# KiCad board XP17.kicad_pcb
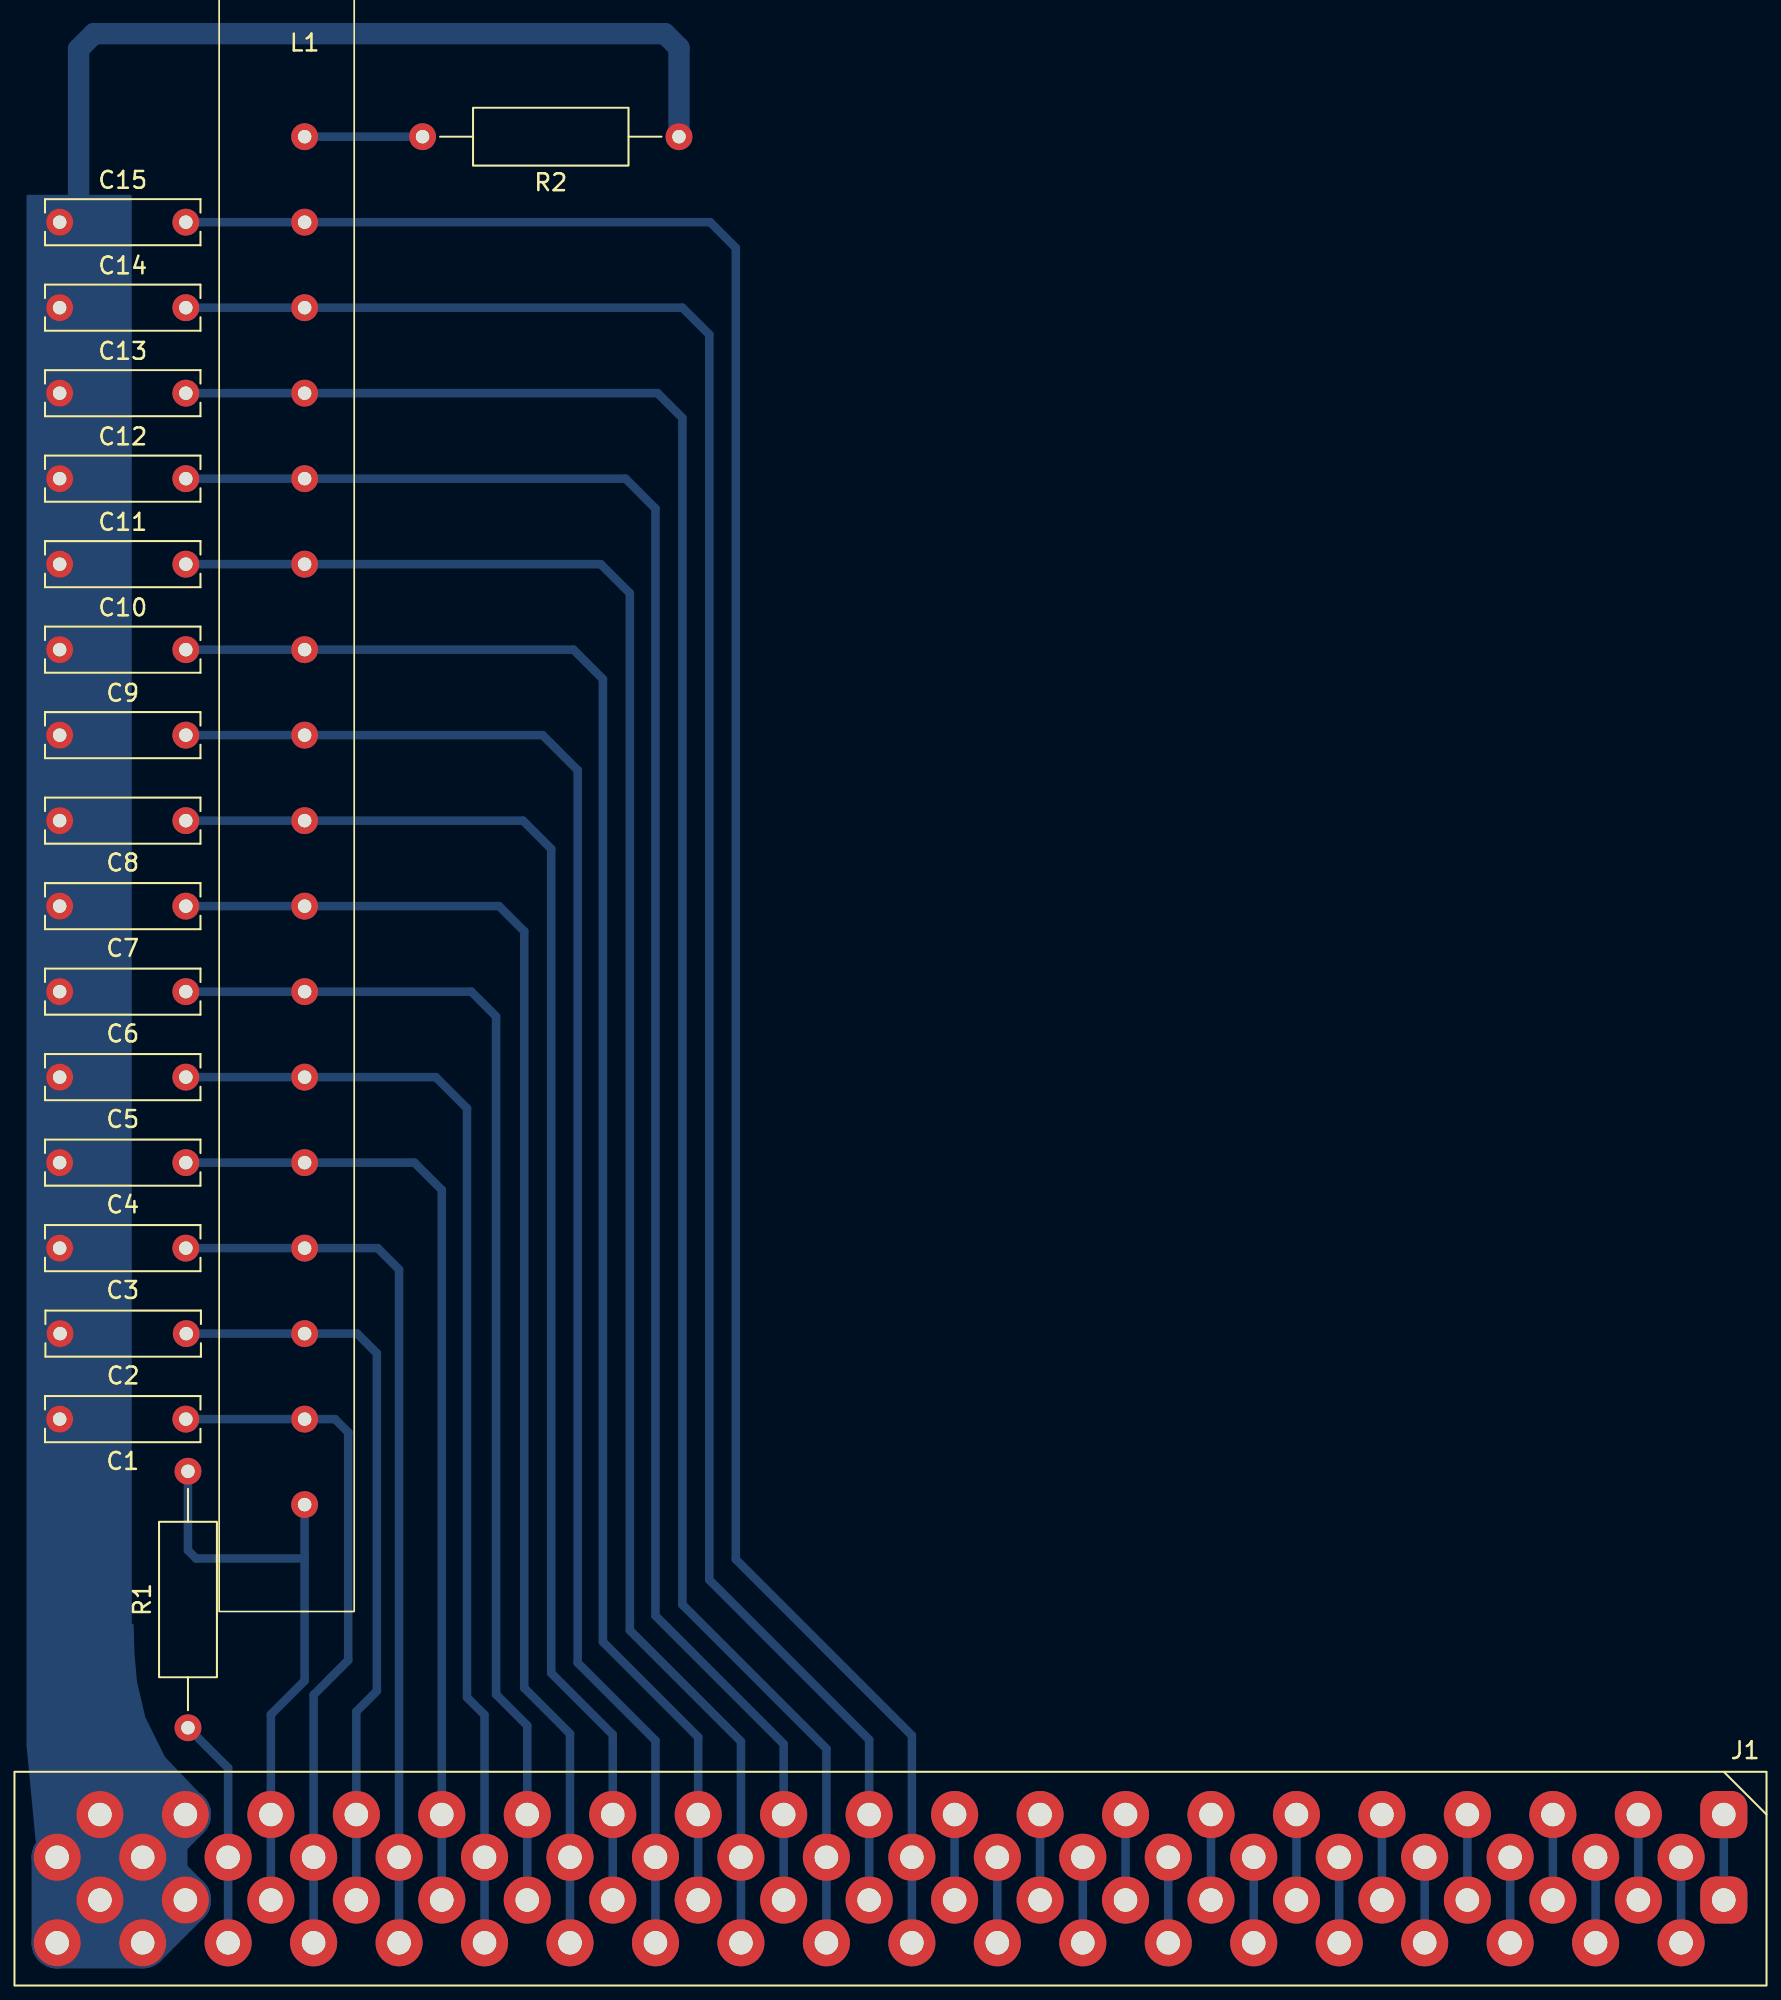
[diagram p0: board, top side]
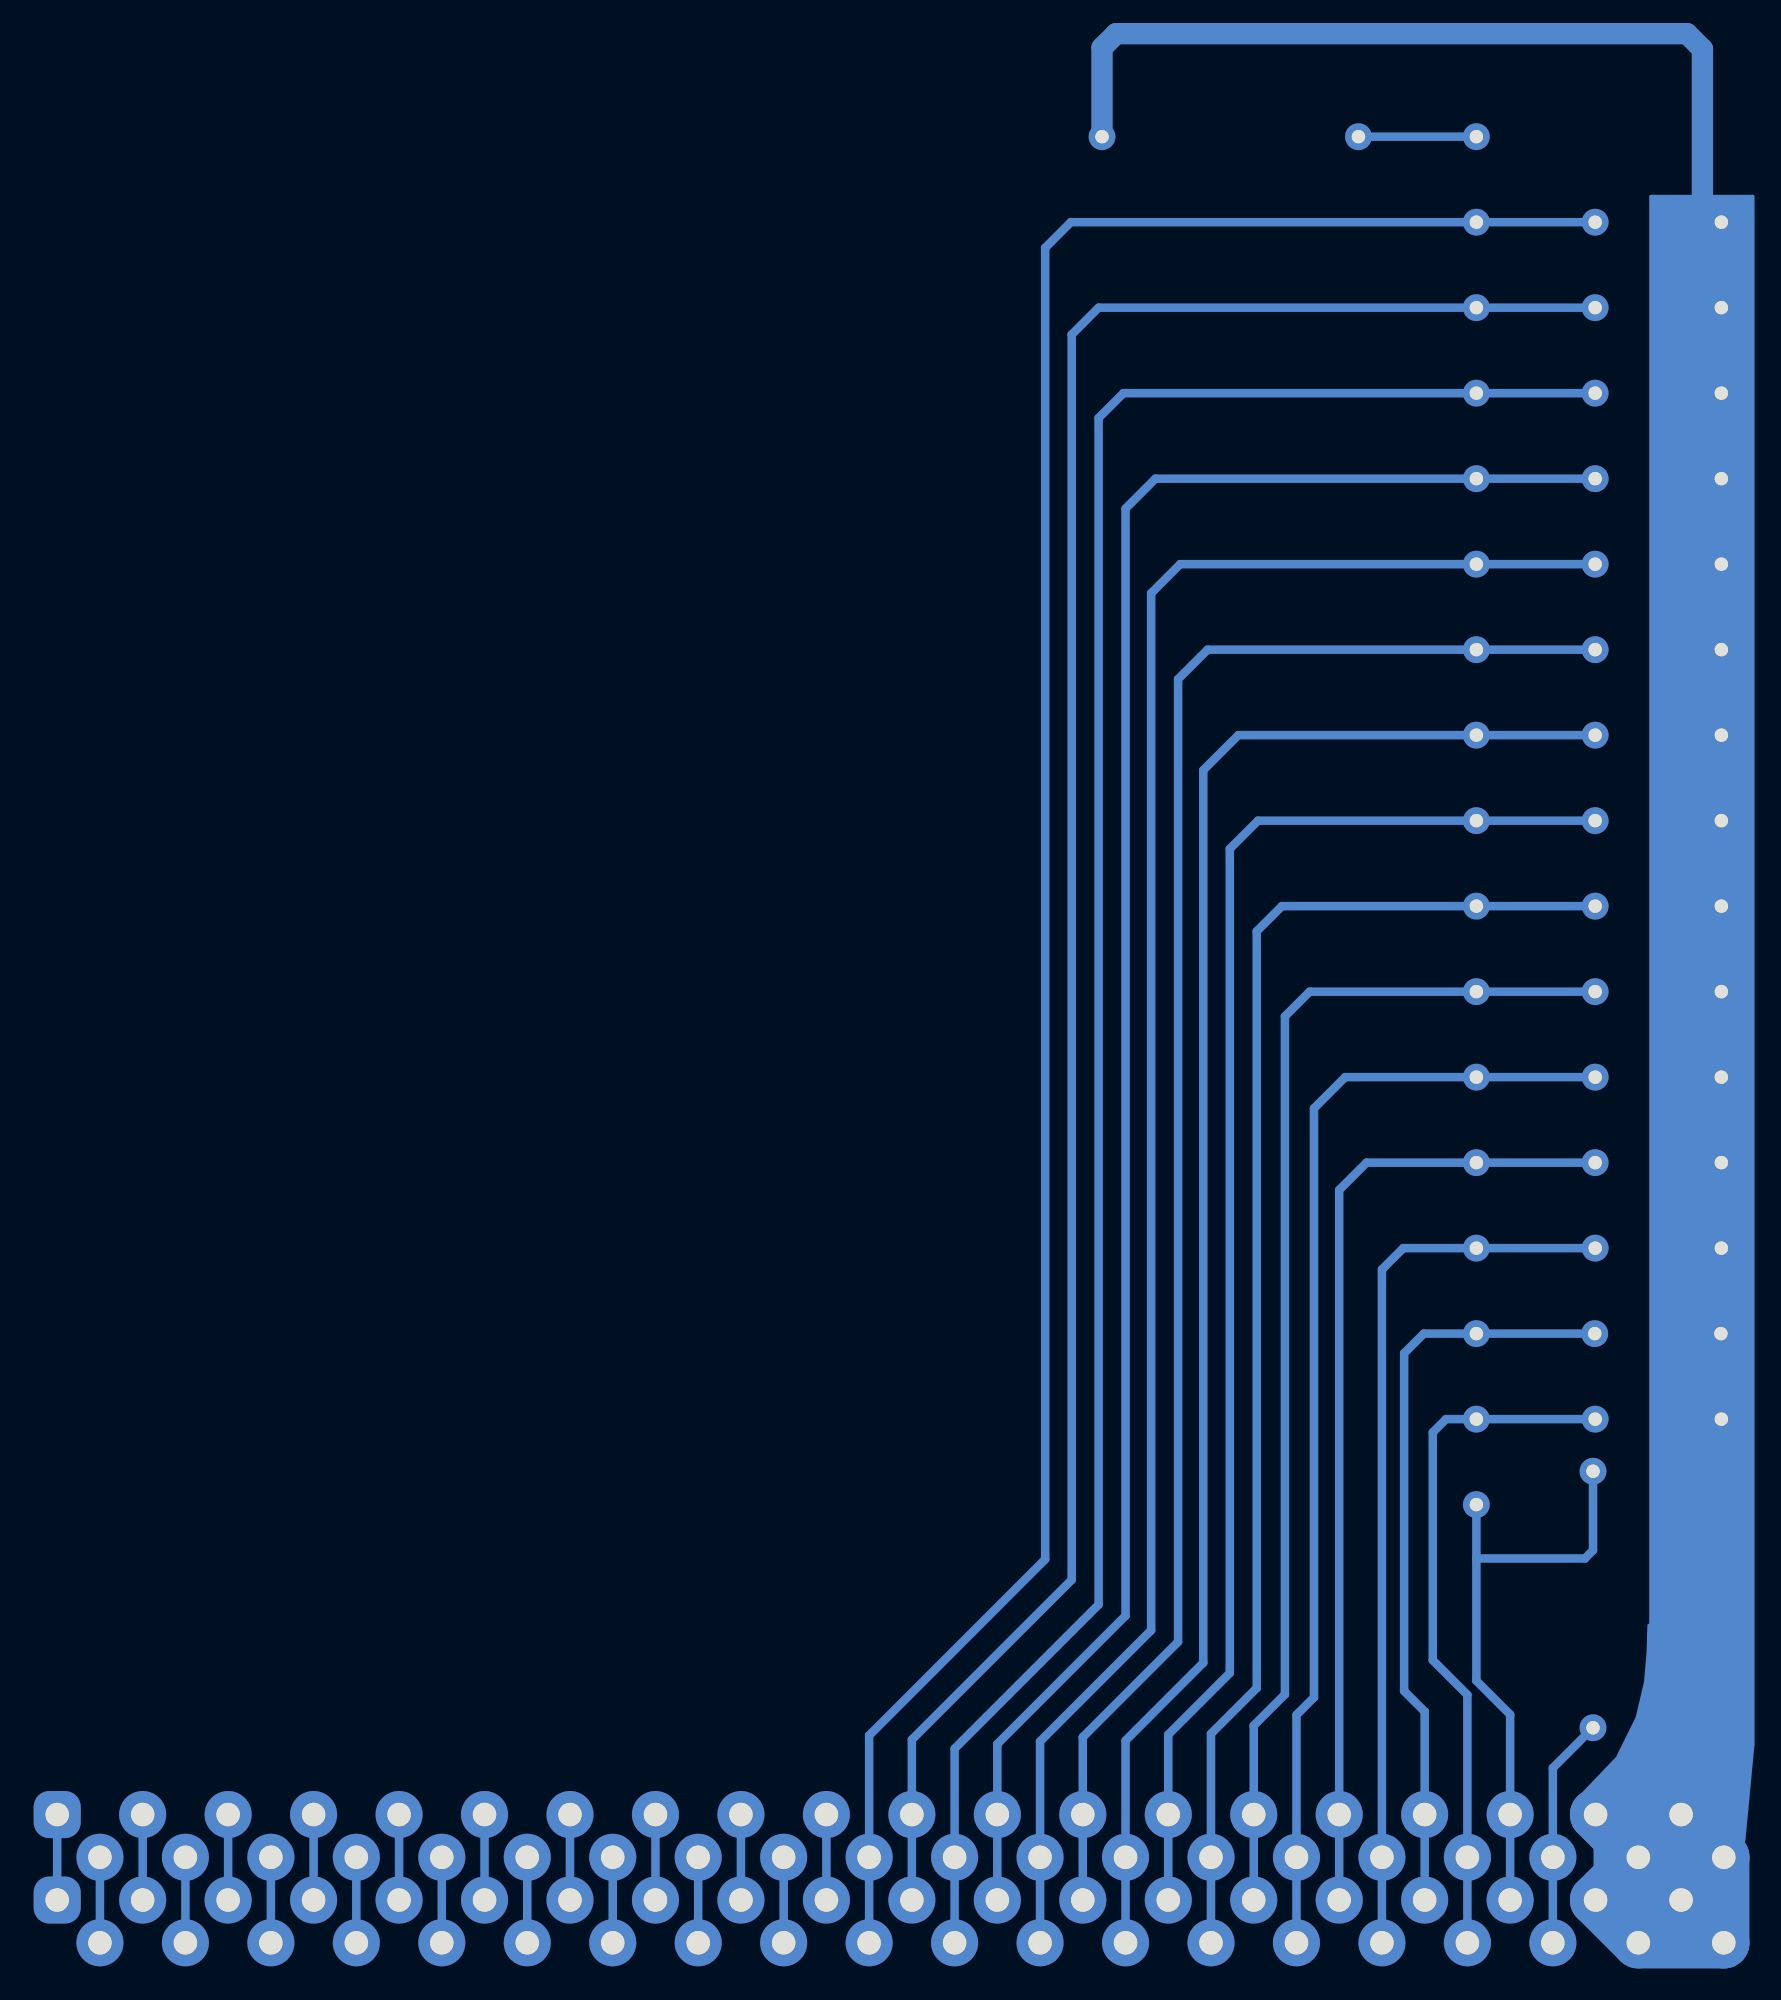
[diagram p1: board, bottom side, seen from below]

No outline. copper layers: Top, Bottom. Coordinates in mm from the lowest, leftmost part position.

## Placement (name value [footprint] x y rotation side)
C1  C  [C_Rect_L9.0mm_W2.5mm_P7.50mm_MKT]  7.5 23.5 180 top
C2  C  [C_Rect_L9.0mm_W2.5mm_P7.50mm_MKT]  7.53 28.58 180 top
C3  C  [C_Rect_L9.0mm_W2.5mm_P7.50mm_MKT]  7.5 33.66 180 top
C4  C  [C_Rect_L9.0mm_W2.5mm_P7.50mm_MKT]  7.5 38.74 180 top
C5  C  [C_Rect_L9.0mm_W2.5mm_P7.50mm_MKT]  7.5 43.82 180 top
C6  C  [C_Rect_L9.0mm_W2.5mm_P7.50mm_MKT]  7.5 48.9 180 top
C7  C  [C_Rect_L9.0mm_W2.5mm_P7.50mm_MKT]  7.5 53.98 180 top
C8  C  [C_Rect_L9.0mm_W2.5mm_P7.50mm_MKT]  7.5 59.06 180 top
C9  C  [C_Rect_L9.0mm_W2.5mm_P7.50mm_MKT]  0 64.14 0 top
C10  C  [C_Rect_L9.0mm_W2.5mm_P7.50mm_MKT]  0 69.22 0 top
C11  C  [C_Rect_L9.0mm_W2.5mm_P7.50mm_MKT]  0 74.3 0 top
C12  C  [C_Rect_L9.0mm_W2.5mm_P7.50mm_MKT]  0 79.38 0 top
C13  C  [C_Rect_L9.0mm_W2.5mm_P7.50mm_MKT]  0 84.46 0 top
C14  C  [C_Rect_L9.0mm_W2.5mm_P7.50mm_MKT]  0 89.54 0 top
C15  C  [C_Rect_L9.0mm_W2.5mm_P7.50mm_MKT]  0 94.62 0 top
J1  Conn_01x40  [ELCO 40]  98.91 0 0 top
L1  ~  [MultiTap-Inductor]  14.56 104.78 0 top
R1  180  [R_Axial_DIN0309_L9.0mm_D3.2mm_P15.24mm_Horizontal]  7.63 5.16 90 top
R2  180  [R_Axial_DIN0309_L9.0mm_D3.2mm_P15.24mm_Horizontal]  36.81 99.7 180 top

## Library data of the parts
C1-C15 = -: Description: Unpolarized capacitor; ki_fp_filters: C_*
J1 = -: Description: Generic connector, single row, 01x40, script generated (kicad-library-utils/schlib/autogen/connector/); ki_fp_filters: Connector*:*_1x??_*
R1 R2 = -: Description: Resistor; ki_fp_filters: R_*

## Footprints (pads in the part's own frame, mm; a bottom-side part is the same pattern mirrored in y, then rotated)
C_Rect_L9.0mm_W2.5mm_P7.50mm_MKT
  round 1.6 hole 0.8: 1(0,0) 2(7.5,0)
ELCO 40
  rrect 2.8x2.8 hole 1.4: 1(0,0) 1(0,-5.08)
  round 2.8 hole 1.4: 2(-2.54,-2.54) 2(-2.54,-7.62) 3(-5.08,0) 3(-5.08,-5.08) 4(-7.62,-2.54) 4(-7.62,-7.62) 5(-10.16,0) 5(-10.16,-5.08) 6(-12.7,-2.54) 6(-12.7,-7.62) 7(-15.24,0) 7(-15.24,-5.08) 8(-17.78,-2.54) 8(-17.78,-7.62) 9(-20.32,0) 9(-20.32,-5.08) 10(-22.86,-2.54) 10(-22.86,-7.62) 11(-25.4,0) 11(-25.4,-5.08) 12(-27.94,-2.54) 12(-27.94,-7.62) 13(-30.48,0) 13(-30.48,-5.08) 14(-33.02,-2.54) 14(-33.02,-7.62) 15(-35.56,0) 15(-35.56,-5.08) 16(-38.1,-2.54) 16(-38.1,-7.62) 17(-40.64,0) 17(-40.64,-5.08) 18(-43.18,-2.54) 18(-43.18,-7.62) 19(-45.72,0) 19(-45.72,-5.08) 20(-48.26,-2.54) 20(-48.26,-7.62) 21(-50.8,0) 21(-50.8,-5.08) 22(-53.34,-2.54) 22(-53.34,-7.62) 23(-55.88,0) 23(-55.88,-5.08) 24(-58.42,-2.54) 24(-58.42,-7.62) 25(-60.96,0) 25(-60.96,-5.08) 26(-63.5,-2.54) 26(-63.5,-7.62) 27(-66.04,0) 27(-66.04,-5.08) 28(-68.58,-2.54) 28(-68.58,-7.62) 29(-71.12,0) 29(-71.12,-5.08) 30(-73.66,-2.54) 30(-73.66,-7.62) 31(-76.2,0) 31(-76.2,-5.08) 32(-78.74,-2.54) 32(-78.74,-7.62) 33(-81.28,0) 33(-81.28,-5.08) 34(-83.82,-2.54) 34(-83.82,-7.62) 35(-86.36,0) 35(-86.36,-5.08) 36(-88.9,-2.54) 36(-88.9,-7.62) 37(-91.44,0) 37(-91.44,-5.08) 38(-93.98,-2.54) 38(-93.98,-7.62) 39(-96.52,0) 39(-96.52,-5.08) 40(-99.06,-2.54) 40(-99.06,-7.62)
MultiTap-Inductor
  round 1.6 hole 0.8: 1(0,-5.08) 2(0,-10.16) 3(0,-15.24) 4(0,-20.32) 5(0,-25.4) 6(0,-30.48) 7(0,-35.56) 8(0,-40.64) 9(0,-45.72) 10(0,-50.8) 11(0,-55.88) 12(0,-60.96) 13(0,-66.04) 14(0,-71.12) 15(0,-76.2) 16(0,-81.28) 17(0,-86.36)
R_Axial_DIN0309_L9.0mm_D3.2mm_P15.24mm_Horizontal
  round 1.6 hole 0.8: 1(0,0) 2(15.24,0)

## Nets
+6V: J1.2
-12V: J1.1
GND: J1.3
J1-4: J1.4
J1-5: J1.5
J1-6: J1.6
J1-7: J1.7
J1-8: J1.8
J1-9: J1.9
J1-10: J1.10
J1-11: J1.11
J1-12: J1.12
J1-13: J1.13
J1-14: J1.14
J1-15: J1.15
J1-16: J1.16
J1-17: J1.17
J1-18: J1.18
J1-19: J1.19
J1-20: C15.2 J1.20 L1.2
J1-21: C14.2 J1.21 L1.3
J1-22: C13.2 J1.22 L1.4
J1-23: C12.2 J1.23 L1.5
J1-24: C11.2 J1.24 L1.6
J1-25: C10.2 J1.25 L1.7
J1-26: C9.2 J1.26 L1.8
J1-27: C8.1 J1.27 L1.9
J1-28: C7.1 J1.28 L1.10
J1-29: C6.1 J1.29 L1.11
J1-30: C5.1 J1.30 L1.12
J1-31: C4.1 J1.31 L1.13
J1-32: C3.1 J1.32 L1.14
J1-33: C2.1 J1.33 L1.15
J1-34: C1.1 J1.34 L1.16
J1-35: J1.35 L1.17 R1.2
J1-36: J1.36 R1.1
Net-(J1-Pin_37): C1.2 C2.2 C3.2 C4.2 C5.2 C6.2 C7.2 C8.2 C9.1 C10.1 C11.1 C12.1 C13.1 C14.1 C15.1 J1.37 J1.38 J1.39 J1.40 R2.1
Net-(L1-Pad1): L1.1 R2.2

## Routing (per net, layer and track width the routed paths; a pad name or vN(x,y) marks a point on that pad's centre or on a via; arc(x,y) is an arc through that point)
+6V: length 5.1
  Bottom w0.508: J1.2 J1.2
-12V: length 5.1
  Bottom w0.508: J1.1 J1.1
GND: length 5.1
  Bottom w0.508: J1.3 J1.3
J1-4: length 5.1
  Bottom w0.508: J1.4 J1.4
J1-5: length 5.1
  Bottom w0.508: J1.5 J1.5
J1-6: length 5.1
  Bottom w0.508: J1.6 J1.6
J1-7: length 5.1
  Bottom w0.508: J1.7 J1.7
J1-8: length 5.1
  Bottom w0.508: J1.8 J1.8
J1-9: length 5.1
  Bottom w0.508: J1.9 J1.9
J1-10: length 5.1
  Bottom w0.508: J1.10 J1.10
J1-11: length 5.1
  Bottom w0.508: J1.11 J1.11
J1-12: length 5.1
  Bottom w0.508: J1.12 J1.12
J1-13: length 5.1
  Bottom w0.508: J1.13 J1.13
J1-14: length 5.1
  Bottom w0.508: J1.14 J1.14
J1-15: length 5.1
  Bottom w0.508: J1.15 J1.15
J1-16: length 5.1
  Bottom w0.508: J1.16 J1.16
J1-17: length 5.1
  Bottom w0.508: J1.17 J1.17
J1-18: length 5.1
  Bottom w0.508: J1.18 J1.18
J1-19: length 5.1
  Bottom w0.508: J1.19 J1.19
J1-20: length 138.4
  Bottom w0.508: J1.20 J1.20 50.65,4.7 40.19,15.16 40.19,93.09 38.67,94.62 L1.2 C15.2
J1-21: length 128.7
  Bottom w0.508: J1.21 J1.21 48.11,4.45 38.61,13.94 38.61,87.93 37.01,89.54 L1.3 C14.2
J1-22: length 124.3
  Bottom w0.508: J1.22 J1.22 45.57,3.91 37.01,12.47 37.01,82.98 35.54,84.46 L1.4 C13.2
J1-23: length 114.5
  Bottom w0.508: C12.2 L1.5 33.64,79.38 35.41,77.6 35.41,11.81 43.03,4.19 J1.23 J1.23
J1-24: length 110
  Bottom w0.508: J1.24 J1.24 40.49,4.34 33.89,10.95 33.89,72.57 32.16,74.3 L1.6 C11.2
J1-25: length 100.4
  Bottom w0.508: C10.2 L1.7 30.54,69.22 32.29,67.46 32.29,10.26 37.95,4.6 J1.25 J1.25
J1-26: length 95.7
  Bottom w0.508: J1.26 J1.26 35.41,4.39 30.79,9.02 30.79,62.05 28.71,64.14 L1.8 C9.2
J1-27: length 86.4
  Bottom w0.508: C8.1 L1.9 27.54,59.06 29.22,57.38 29.22,8.41 32.87,4.75 J1.27 J1.27
J1-28: length 82
  Bottom w0.508: J1.28 J1.28 30.33,4.8 27.62,7.52 27.62,52.48 26.12,53.98 L1.10 C7.1
J1-29: length 72.3
  Bottom w0.508: C6.1 L1.11 24.47,48.9 25.94,47.42 25.94,7.14 27.79,5.28 J1.29 J1.29
J1-30: length 67.5
  Bottom w0.508: C5.1 L1.12 22.36,43.82 24.21,41.96 24.21,6.96 25.25,5.92 J1.30 J1.30
J1-31: length 58.1
  Bottom w0.508: C4.1 L1.13 21.09,38.74 22.71,37.11 J1.31 J1.31
J1-32: length 53.2
  Bottom w0.508: C3.1 L1.14 18.9,33.66 20.17,32.39 J1.32 J1.32
J1-33: length 44.8
  Bottom w0.508: J1.33 J1.33 17.63,6.12 18.85,7.34 18.85,27.41 17.69,28.58 L1.15 C2.1
J1-34: length 41.2
  Bottom w0.508: J1.34 J1.34 15.09,7.11 17.15,9.17 17.15,22.71 16.36,23.5 L1.16 C1.1
J1-35: length 36.2
  Bottom w0.508: J1.35 J1.35 12.55,5.94 14.56,7.95 14.56,15.19 ; 14.56,15.19 L1.17 ; 14.56,15.19 14.54,15.21 8.11,15.21 7.63,15.7 R1.2
J1-36: length 13.8
  Bottom w0.508: J1.36 J1.36 10.01,2.77 R1.1
Net-(J1-Pin_37): length 181.8
  Bottom w1.27: R2.1 36.81,104.98 35.97,105.82 2.04,105.82 1.12,104.9 1.12,95.74 C15.1 C1.2
  Bottom w3.048: J1.40 J1.39 J1.37 ; J1.40 J1.38 ; J1.40 J1.40 ; J1.37 6.07,-1.4 6.07,-3.68 J1.37 ; J1.37 J1.38 ; J1.37 J1.39 ; J1.37 J1.38 J1.40 ; J1.39 J1.38 ; J1.39 J1.40
Net-(L1-Pad1): length 7
  Bottom w0.508: R2.2 L1.1

## Copper pours and planes (outline as drawn; the poured copper is in the pictures)
Net-(J1-Pin_37) on Bottom (solid shape): -1.87,4.16 -1.33,-1.56 8.57,0.86 6.18,3.36 5,5.75 4.5,7.87 4.35,9.59 4.3,11.24

## Text on the board
Bottom: DECISION | VersaLOGIC | XP17
